# Altium PCB RFFE.PcbDoc (part 1 of 7) (continued)
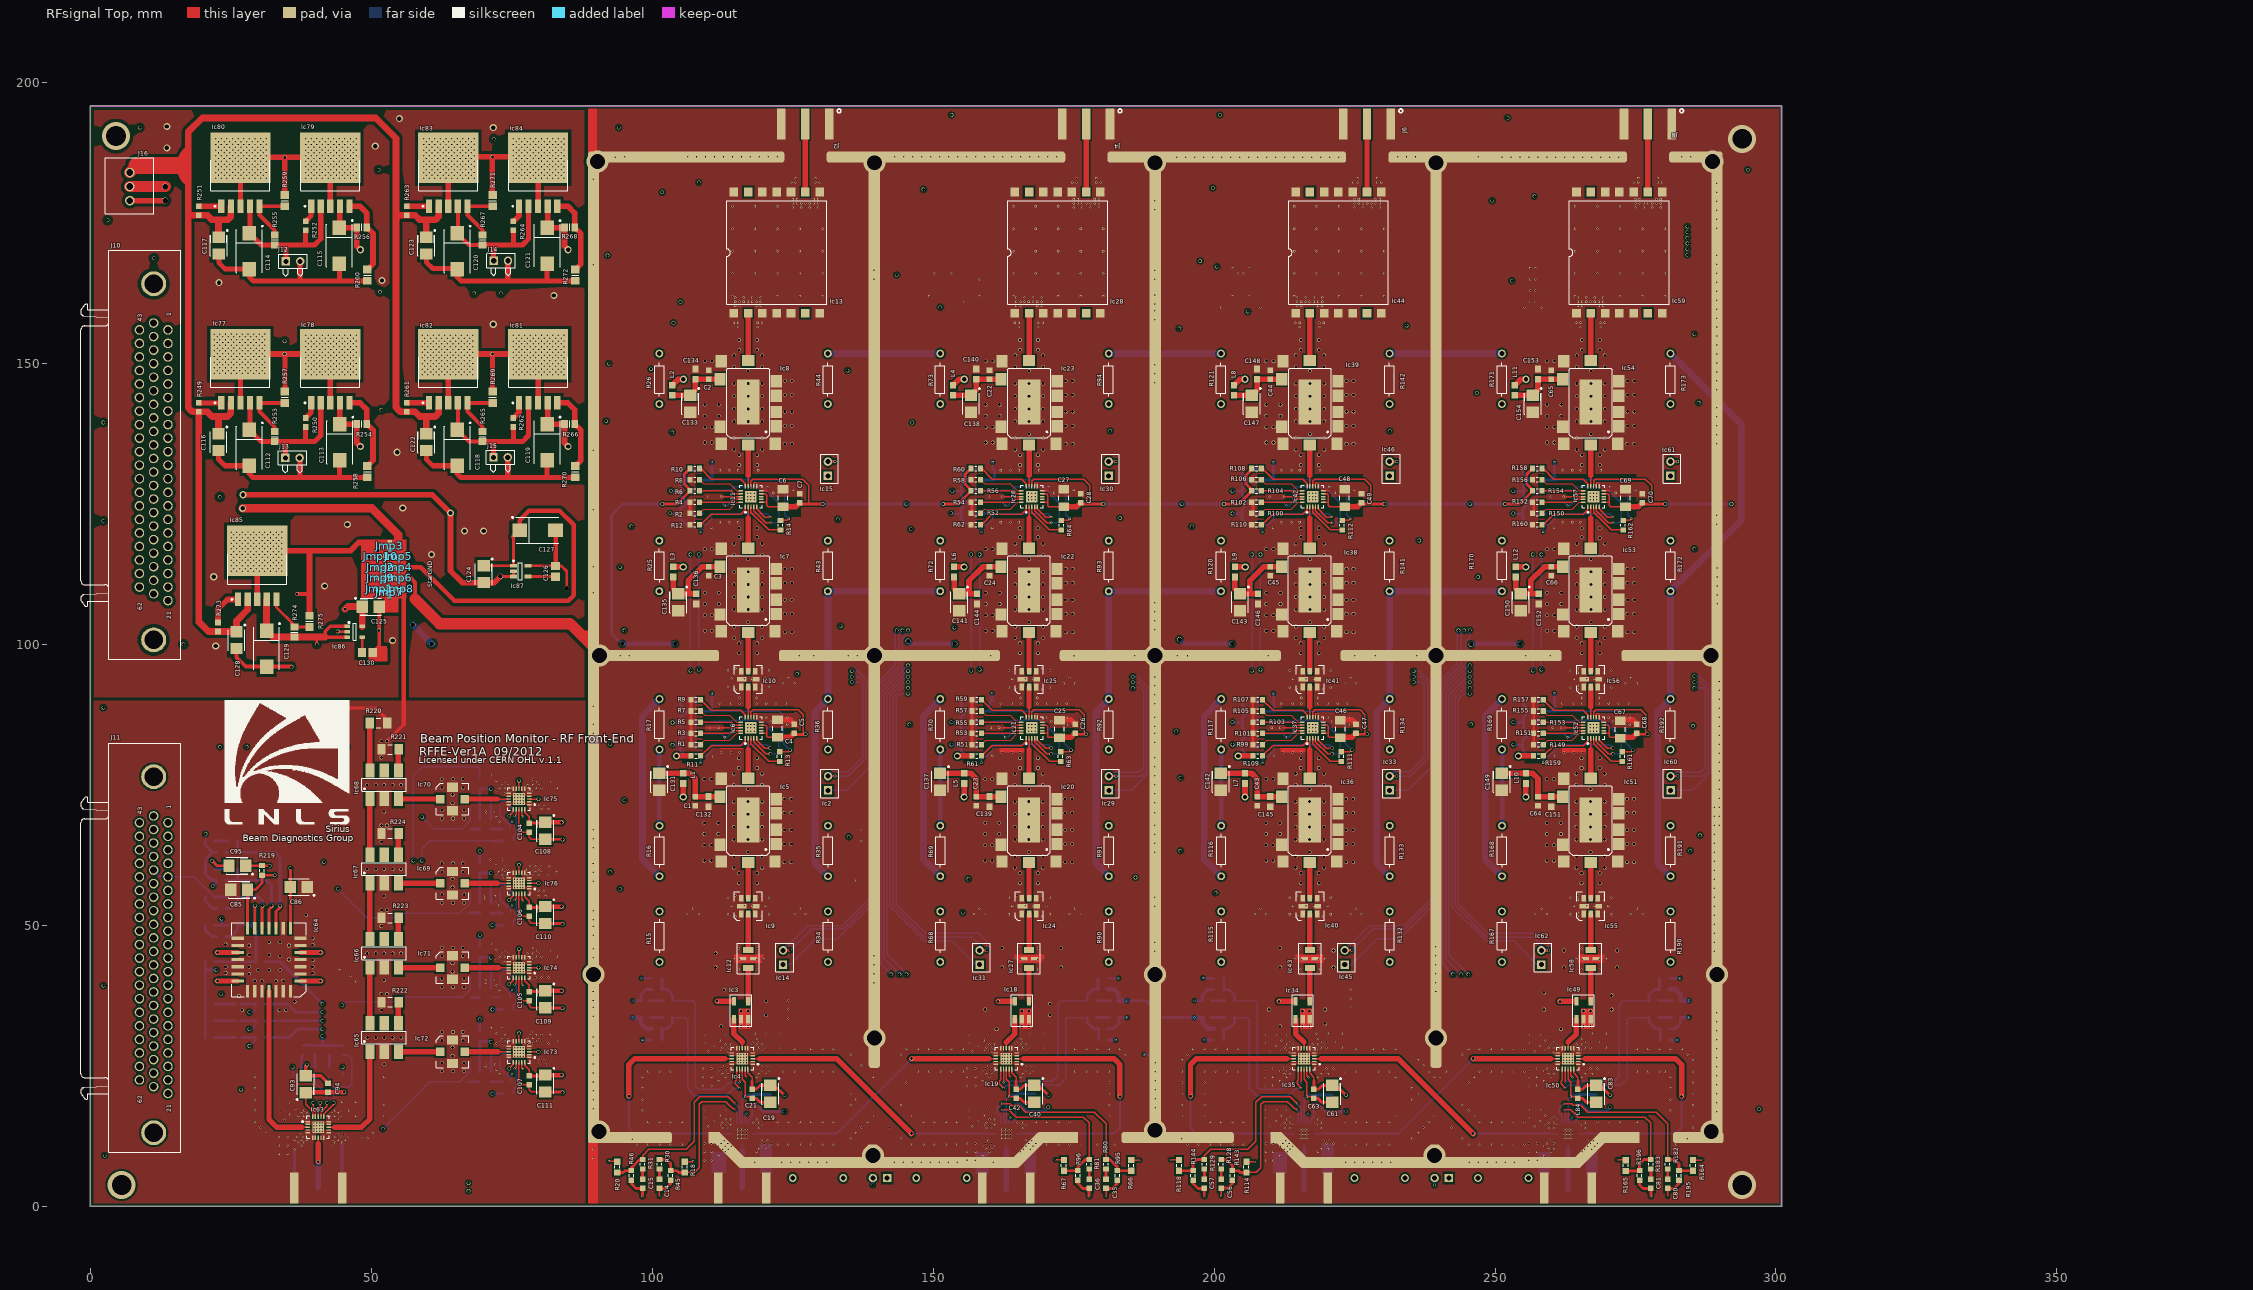
[diagram p0: RFsignal Top view]
## Components (designator, comment, footprint, x,y, rotation, side; value= is the part's Value field where it differs from the comment)
C1 "C1608C0G1H101J" CAPC1608N 107.65,72.1 r90 top
C2 "C1608C0G1H101J" CAPC1608N 110,148.02 r90 top
C3 "C1608C0G1H101J" CAPC1608N 110,113 r90 top
C4 "CAP CER 0.1UF" CAPC3216M 122.25,85 r90 top
C5 "C1608C0G1H101J" CAPC1608N 125.25,85 r90 top
C6 "CAP CER 0.1UF" CAPC3216M 123.229,126.074 r90 top
C7 "C1608C0G1H101J" CAPC1608N 126.23,126 r90 top
C8 "C1608C0G1H470J" CAPC1608N 105.85,90.1 r180 bottom
C9 "C1608C0G1H470J" CAPC1608N 105.85,86.1 r180 bottom
C10 "C1608C0G1H470J" CAPC1608N 105.75,82.1 r180 bottom
C11 "C1608C0G1H470J" CAPC1608N 105.73,131.25 r180 bottom
C12 "C1608C0G1H470J" CAPC1608N 105.73,127.25 r180 bottom
C13 "C1608C0G1H470J" CAPC1608N 105.73,123.25 r180 bottom
C14 "C1608C0G1H470J" CAPC1608N 101.25,3.95 r90 top
C15 "C1608C0G1H470J" CAPC1608N 98.25,3.95 r90 top
C16 "C1608C0G1H470J" CAPC1608N 98.75,33.57 r0 bottom
C17 "C1608C0G1H470J" CAPC1608N 98.75,36.57 r0 bottom
C18 "CAP TANT 4.7UF" TC3528-1411 121,18.35 r90 bottom
C19 "CAP TANT 4.7UF" TC3528-1411 121,20 r270 top
C20 "C1608C0G1H101J" CAPC1608N 117.75,19 r90 bottom
C21 "C1608C0G1H101J" CAPC1608N 117.75,20 r270 top
C22 "C1608C0G1H101J" CAPC1608N 160,148.02 r90 top
C23 "C1608C0G1H101J" CAPC1608N 157.65,72.1 r90 top
C24 "C1608C0G1H101J" CAPC1608N 160,113 r90 top
C25 "CAP CER 0.1UF" CAPC3216M 172.462,84.966 r90 top
C26 "C1608C0G1H101J" CAPC1608N 175.25,85 r90 top
C27 "CAP CER 0.1UF" CAPC3216M 173.229,126.074 r90 top
C28 "C1608C0G1H101J" CAPC1608N 176.23,126 r90 top
C29 "C1608C0G1H470J" CAPC1608N 155.75,90.15 r180 bottom
C30 "C1608C0G1H470J" CAPC1608N 155.75,86.15 r180 bottom
C31 "C1608C0G1H470J" CAPC1608N 155.75,82.15 r180 bottom
C32 "C1608C0G1H470J" CAPC1608N 156.03,131.3 r180 bottom
C33 "C1608C0G1H470J" CAPC1608N 155.73,127.3 r180 bottom
C34 "C1608C0G1H470J" CAPC1608N 155.73,123.3 r180 bottom
C35 "C1608C0G1H470J" CAPC1608N 180.75,3.95 r90 top
C36 "C1608C0G1H470J" CAPC1608N 177.75,3.95 r90 top
C37 "C1608C0G1H470J" CAPC1608N 182.25,33.57 r180 bottom
C38 "C1608C0G1H470J" CAPC1608N 182.25,36.57 r180 bottom
C39 "CAP TANT 4.7UF" TC3528-1411 168,18.35 r90 bottom
C40 "CAP TANT 4.7UF" TC3528-1411 168,20 r270 top
C41 "C1608C0G1H101J" CAPC1608N 164.75,19 r90 bottom
C42 "C1608C0G1H101J" CAPC1608N 164.75,20 r270 top
C43 "C1608C0G1H101J" CAPC1608N 207.65,72.1 r270 top
C44 "C1608C0G1H101J" CAPC1608N 210,148.02 r90 top
C45 "C1608C0G1H101J" CAPC1608N 210,113 r90 top
C46 "CAP CER 0.1UF" CAPC3216M 222.461,84.966 r90 top
C47 "C1608C0G1H101J" CAPC1608N 225.25,85 r90 top
C48 "CAP CER 0.1UF" CAPC3216M 223.229,126.074 r90 top
C49 "C1608C0G1H101J" CAPC1608N 226.23,126 r90 top
C50 "C1608C0G1H470J" CAPC1608N 205.75,90.15 r180 bottom
C51 "C1608C0G1H470J" CAPC1608N 205.75,86.15 r180 bottom
C52 "C1608C0G1H470J" CAPC1608N 205.75,82.15 r180 bottom
C53 "C1608C0G1H470J" CAPC1608N 205.73,131.3 r180 bottom
C54 "C1608C0G1H470J" CAPC1608N 205.73,127.3 r180 bottom
C55 "C1608C0G1H470J" CAPC1608N 205.73,123.3 r180 bottom
C56 "C1608C0G1H470J" CAPC1608N 201.25,3.95 r90 top
C57 "C1608C0G1H470J" CAPC1608N 198.25,3.95 r90 top
C58 "C1608C0G1H470J" CAPC1608N 198.75,33.57 r0 bottom
C59 "C1608C0G1H470J" CAPC1608N 198.75,36.57 r0 bottom
C60 "CAP TANT 4.7UF" TC3528-1411 221,18.35 r90 bottom
C61 "CAP TANT 4.7UF" TC3528-1411 221,20 r270 top
C62 "C1608C0G1H101J" CAPC1608N 217.75,19 r90 bottom
C63 "C1608C0G1H101J" CAPC1608N 217.75,20 r270 top
C64 "C1608C0G1H101J" CAPC1608N 257.65,72.1 r90 top
C65 "C1608C0G1H101J" CAPC1608N 260,148.02 r90 top
C66 "C1608C0G1H101J" CAPC1608N 260,113 r90 top
C67 "CAP CER 0.1UF" CAPC3216M 272.293,84.858 r90 top
C68 "C1608C0G1H101J" CAPC1608N 275.24,85 r90 top
C69 "CAP CER 0.1UF" CAPC3216M 273.229,126.074 r90 top
C70 "C1608C0G1H101J" CAPC1608N 276.23,126 r90 top
C71 "CAP TANT 4.7UF" TC3528-1411 268,18.35 r90 bottom
C72 "C1608C0G1H470J" CAPC1608N 255.85,90.15 r180 bottom
C73 "C1608C0G1H470J" CAPC1608N 255.75,86.15 r180 bottom
C74 "C1608C0G1H470J" CAPC1608N 255.75,82.15 r180 bottom
C75 "C1608C0G1H470J" CAPC1608N 282.25,33.57 r180 bottom
C76 "C1608C0G1H470J" CAPC1608N 282.25,36.57 r180 bottom
C77 "C1608C0G1H470J" CAPC1608N 255.73,131.33 r180 bottom
C78 "C1608C0G1H470J" CAPC1608N 255.73,127.33 r180 bottom
C79 "C1608C0G1H470J" CAPC1608N 255.73,123.33 r180 bottom
C80 "C1608C0G1H470J" CAPC1608N 280.75,3.95 r90 top
C81 "C1608C0G1H470J" CAPC1608N 277.75,3.95 r90 top
C82 "C1608C0G1H101J" CAPC1608N 264.75,19 r90 bottom
C83 "CAP TANT 4.7UF" TC3528-1411 268,20 r270 top
C84 "C1608C0G1H101J" CAPC1608N 264.75,20 r270 top
C85 "CAP TANT 4.7UF" TC3528-1411 26.43,56.31 r180 top
C86 "CAP TANT 4.7UF" TC3528-1411 37.04,56.81 r180 top
C87 "C1608C0G1H470J" CAPC1608N 42.51,27.78 r90 bottom
C88 "C1608C0G1H470J" CAPC1608N 39.93,27.82 r90 bottom
C89 "C1608C0G1H470J" CAPC1608N 21.25,55 r0 bottom
C90 "C1608C0G1H470J" CAPC1608N 21.25,50 r0 bottom
C91 "C1608C0G1H470J" CAPC1608N 21.25,65 r180 bottom
C92 "C1608C0G1H470J" CAPC1608N 21.25,60 r180 bottom
C93 "CAP TANT 4.7UF" TC3528-1411 38.25,21.7 r90 top
C94 "C1608C0G1H101J" CAPC1608N 42.25,21.1 r90 top
C95 "CAP TANT 4.7UF" TC3528-1411 26.1,60.6 r180 top
C96 "C1608C0G1H470J" CAPC1608N 66.5,22.15 r180 bottom
C97 "C1608C0G1H470J" CAPC1608N 74,22.15 r0 bottom
C98 "C1608C0G1H470J" CAPC1608N 66.9,37.15 r180 bottom
C99 "C1608C0G1H470J" CAPC1608N 73.9,37.15 r0 bottom
C100 "C1608C0G1H470J" CAPC1608N 66.9,67.15 r180 bottom
C101 "C1608C0G1H470J" CAPC1608N 73.9,67.15 r0 bottom
C102 "C1608C0G1H470J" CAPC1608N 66.5,52.15 r180 bottom
C103 "C1608C0G1H470J" CAPC1608N 74,52.15 r0 bottom
C104 "C1608C0G1H101J" CAPC1608N 78.04,67.38 r270 top
C105 "C1608C0G1H101J" CAPC1608N 78.04,37.38 r270 top
C106 "C1608C0G1H101J" CAPC1608N 78.04,52.38 r270 top
C107 "C1608C0G1H101J" CAPC1608N 78.04,22.38 r90 top
C108 "CAP TANT 4.7UF" TC3528-1411 80.94,66.82 r270 top
C109 "CAP TANT 4.7UF" TC3528-1411 80.94,36.83 r270 top
C110 "CAP TANT 4.7UF" TC3528-1411 80.94,51.83 r270 top
C111 "CAP TANT 4.7UF" TC3528-1411 80.94,21.83 r270 top
C112 "CAP TANT 33UF" TC7343-2917 28.25,135 r270 top
C113 "CAP TANT 33UF" TC7343-2917 44.35,136 r270 top
C114 "CAP TANT 33UF" TC7343-2917 28.25,170 r270 top
C115 "CAP TANT 33UF" TC7343-2917 44.25,171 r270 top
C116 "CAP TANT 10UF" TC3528-1411 22.75,136 r270 top
C117 "CAP TANT 10UF" TC3528-1411 22.8,171 r270 top
C118 "CAP TANT 33UF" TC7343-2917 65.25,135 r270 top
C119 "CAP TANT 33UF" TC7343-2917 81.25,136 r270 top
C120 "CAP TANT 33UF" TC7343-2917 65.25,170 r270 top
C121 "CAP TANT 33UF" TC7343-2917 81.25,171 r270 top
C122 "CAP TANT 10UF" TC3528-1411 59.75,136 r270 top
C123 "CAP TANT 10UF" TC3528-1411 59.75,171 r270 top
C124 "CAP TANT 10UF" TC3528-1411 69.95,112.5 r270 top
C125 "CAP TANT 10UF" TC3528-1411 49.85,106.7 r0 top
C126 "CAP CER 10000PF" CAPC2012M 82.75,113 r270 top
C127 "CAP TANT 33UF" TC7343-2917 79.55,120.3 r0 top
C128 "CAP TANT 10UF" TC3528-1411 25.95,100.75 r270 top
C129 "CAP TANT 33UF" TC7343-2917 31.3,99.25 r270 top
C130 "CAP CER 10000PF" CAPC2012M 49.25,98.6 r0 top
C131 "CAP TANT 4.7UF" TC3528-1411 101.2,75.55 r270 top
C132 "C1608C0G1H102J" CAPC1608M 110,72 r270 top
C133 "CAP TANT 4.7UF" TC3528-1411 106.72,142.84 r270 top
C134 "C1608C0G1H102J" CAPC1608M 107.65,148.12 r90 top
C135 "CAP TANT 4.7UF" TC3528-1411 104.6,107.5 r270 top
C136 "C1608C0G1H102J" CAPC1608M 107.8,108.1 r270 top
C137 "CAP TANT 4.7UF" TC3528-1411 151.2,75.55 r270 top
C138 "CAP TANT 4.7UF" TC3528-1411 156.72,142.84 r270 top
C139 "C1608C0G1H102J" CAPC1608M 160,72 r270 top
C140 "C1608C0G1H102J" CAPC1608M 157.65,148.12 r90 top
C141 "CAP TANT 4.7UF" TC3528-1411 154.6,107.5 r270 top
C142 "CAP TANT 4.7UF" TC3528-1411 201.2,75.55 r270 top
C143 "CAP TANT 4.7UF" TC3528-1411 204.6,107.5 r270 top
C144 "C1608C0G1H102J" CAPC1608M 157.8,108.1 r270 top
C145 "C1608C0G1H102J" CAPC1608M 210,72 r270 top
C146 "C1608C0G1H102J" CAPC1608M 207.8,108.1 r270 top
C147 "CAP TANT 4.7UF" TC3528-1411 206.72,142.84 r270 top
C148 "C1608C0G1H102J" CAPC1608M 207.65,148.12 r90 top
C149 "CAP TANT 4.7UF" TC3528-1411 251.2,75.55 r270 top
C150 "CAP TANT 4.7UF" TC3528-1411 254.6,107.5 r270 top
C151 "C1608C0G1H102J" CAPC1608M 260,72 r270 top
C152 "C1608C0G1H102J" CAPC1608M 257.8,108.1 r270 top
C153 "C1608C0G1H102J" CAPC1608M 257.65,148.12 r90 top
C154 "CAP TANT 4.7UF" TC3528-1411 256.72,142.84 r270 top
D1 "RB521CS-30T2R" RESC1005L 26.25,36 r180 bottom
D2 "RB521CS-30T2R" RESC1005L 26.25,43.5 r180 bottom
D3 "RB521CS-30T2R" RESC1005L 26.25,30 r180 bottom
D4 "RB521CS-30T2R" RESC1005L 26.25,33 r180 bottom
Ic1 "HSWA2-30DR+" DG983-1 116,12.9 r180 bottom
Ic2 "DETECTOR RTD TF 100 OHM +/-0.06%" RTDX2 131.25,74 r90 top
Ic3 "SBTC-2-10L+" AT1029 117.04,36.45 r270 top
Ic4 "HSWA2-30DR+" DG983-1 116,26.25 r180 top
Ic5 "TAMP-72LN+" JQ1382 122.04,61.36 r90 top
Ic6 "DAT-31R5-SP+" DG983-1 117.54,85.15 r90 top
Ic7 "TAMP-72LN+" JQ1382 122.04,102.31 r90 top
Ic8 "TAMP-72LN+" JQ1382 122.05,135.72 r90 top
Ic9 "TA1114A" TST-TA1114A 116,54.5 r90 top
Ic10 "TA1114A" TST-TA1114A 116,94.9 r90 top
Ic11 "DAT-31R5-SP+" DG983-1 117.54,126.32 r90 top
Ic12 "LFCN-530+" FV1206 117.05,42.37 r90 top
Ic13 "BPF-C495+" HU1186 114.51,158.95 r90 top
Ic14 "DETECTOR RTD TF 100 OHM +/-0.06%" RTDX2 123.25,43 r90 top
Ic15 "DETECTOR RTD TF 100 OHM +/-0.06%" RTDX2 131.23,130 r90 top
Ic16 "DETECTOR RTD TF 100 OHM +/-0.06%" RTDX2 141.79,5 r180 bottom
Ic17 "HSWA2-30DR+" DG983-1 163,12.9 r180 bottom
Ic18 "SBTC-2-10L+" AT1029 167.04,36.45 r270 top
Ic19 "HSWA2-30DR+" DG983-1 163,26.25 r180 top
Ic20 "TAMP-72LN+" JQ1382 172.04,61.36 r90 top
Ic21 "DAT-31R5-SP+" DG983-1 167.54,85.15 r90 top
Ic22 "TAMP-72LN+" JQ1382 172.04,102.31 r90 top
Ic23 "TAMP-72LN+" JQ1382 172.05,135.72 r90 top
Ic24 "TA1114A" TST-TA1114A 166,54.5 r90 top
Ic25 "TA1114A" TST-TA1114A 166,94.9 r90 top
Ic26 "DAT-31R5-SP+" DG983-1 167.54,126.32 r90 top
Ic27 "LFCN-530+" FV1206 167.05,42.37 r90 top
Ic28 "BPF-C495+" HU1186 164.51,158.95 r90 top
Ic29 "DETECTOR RTD TF 100 OHM +/-0.06%" RTDX2 181.25,74 r90 top
Ic30 "DETECTOR RTD TF 100 OHM +/-0.06%" RTDX2 181.23,130 r90 top
Ic31 "DETECTOR RTD TF 100 OHM +/-0.06%" RTDX2 158.25,43 r90 top
Ic32 "HSWA2-30DR+" DG983-1 216,12.9 r180 bottom
Ic33 "DETECTOR RTD TF 100 OHM +/-0.06%" RTDX2 231.25,74 r90 top
Ic34 "SBTC-2-10L+" AT1029 217.04,36.45 r270 top
Ic35 "HSWA2-30DR+" DG983-1 216,26.25 r180 top
Ic36 "TAMP-72LN+" JQ1382 222.04,61.36 r90 top
Ic37 "DAT-31R5-SP+" DG983-1 217.54,85.15 r90 top
Ic38 "TAMP-72LN+" JQ1382 222.04,102.31 r90 top
Ic39 "TAMP-72LN+" JQ1382 222.05,135.72 r90 top
Ic40 "TA1114A" TST-TA1114A 216,54.5 r90 top
Ic41 "TA1114A" TST-TA1114A 216,94.9 r90 top
Ic42 "DAT-31R5-SP+" DG983-1 217.54,126.32 r90 top
Ic43 "LFCN-530+" FV1206 217.05,42.37 r90 top
Ic44 "BPF-C495+" HU1186 214.51,158.95 r90 top
Ic45 "DETECTOR RTD TF 100 OHM +/-0.06%" RTDX2 223.25,43 r90 top
Ic46 "DETECTOR RTD TF 100 OHM +/-0.06%" RTDX2 231.23,130 r90 top
Ic47 "HSWA2-30DR+" DG983-1 263,12.9 r180 bottom
Ic48 "DETECTOR RTD TF 100 OHM +/-0.06%" RTDX2 241.79,5 r180 bottom
Ic49 "SBTC-2-10L+" AT1029 267.04,36.45 r270 top
Ic50 "HSWA2-30DR+" DG983-1 263,26.25 r180 top
Ic51 "TAMP-72LN+" JQ1382 272.04,61.36 r90 top
Ic52 "DAT-31R5-SP+" DG983-1 267.54,85.15 r90 top
Ic53 "TAMP-72LN+" JQ1382 272.04,102.31 r90 top
Ic54 "TAMP-72LN+" JQ1382 272.05,135.72 r90 top
Ic55 "TA1114A" TST-TA1114A 266,54.5 r90 top
Ic56 "TA1114A" TST-TA1114A 266,94.9 r90 top
Ic57 "DAT-31R5-SP+" DG983-1 267.54,126.32 r90 top
Ic58 "LFCN-530+" FV1206 267.05,42.37 r90 top
Ic59 "BPF-C495+" HU1186 264.51,158.95 r90 top
Ic60 "DETECTOR RTD TF 100 OHM +/-0.06%" RTDX2 281.25,74 r90 top
Ic61 "DETECTOR RTD TF 100 OHM +/-0.06%" RTDX2 281.23,130 r90 top
Ic62 "DETECTOR RTD TF 100 OHM +/-0.06%" RTDX2 258.25,43 r90 top
Ic63 "HSWA2-30DR+" DG983-1 40.498,14.05 r0 top
Ic64 "GSWA-4-30DR" AN1102 37.34,40.07 r180 top
Ic65 "ADC-10-4+" CD542 52.24,30.01 r90 top
Ic66 "ADC-10-4+" CD542 52.24,45.01 r90 top
Ic67 "ADC-10-4+" CD542 52.24,60.01 r90 top
Ic68 "ADC-10-4+" CD542 52.24,75.01 r90 top
Ic69 "PAT-1+" AF320 62.24,57.47 r0 top
Ic70 "PAT-0+" AF320 62.24,72.47 r0 top
Ic71 "PAT-2+" AF320 62.24,42.47 r0 top
Ic72 "PAT-3+" AF320 62.24,27.47 r0 top
Ic73 "HSWA2-30DR+" DG983-1 76.24,27.47 r180 top
Ic74 "HSWA2-30DR+" DG983-1 76.24,42.47 r180 top
Ic75 "HSWA2-30DR+" DG983-1 76.24,72.47 r180 top
Ic76 "HSWA2-30DR+" DG983-1 76.24,57.47 r180 top
Ic77 "IC LDO LO NOISE 3A ADJ DDPAK-5" "DD PAK" 23.25,143 r90 top
Ic78 "IC LDO LO NOISE 3A ADJ DDPAK-5" "DD PAK" 39.25,143 r90 top
Ic79 "IC LDO LO NOISE 3A ADJ DDPAK-5" "DD PAK" 39.25,178 r90 top
Ic80 "IC LDO LO NOISE 3A ADJ DDPAK-5" "DD PAK" 23.25,178 r90 top
Ic81 "IC LDO LO NOISE 3A ADJ DDPAK-5" "DD PAK" 76.25,143 r90 top
Ic82 "IC LDO LO NOISE 3A ADJ DDPAK-5" "DD PAK" 60.25,143 r90 top
Ic83 "IC LDO LO NOISE 3A ADJ DDPAK-5" "DD PAK" 60.25,178 r90 top
Ic84 "IC LDO LO NOISE 3A ADJ DDPAK-5" "DD PAK" 76.25,178 r90 top
Ic85 "IC LDO LO NOISE 3A ADJ DDPAK-5" "DD PAK" 26.25,108 r90 top
Ic86 "TPS73030DBVT" DBV005 45.65,103.2 r0 top
Ic87 "LT1964ES5-5#TRMPBF" TSOT-23 75.25,114 r0 top
J1 "CONN SMA" SMAEDGE50R 120.251,3.25 r180 bottom
J2 "CONN SMA" SMAEDGE50R 131.46,192.65 r180 top
J3 "CONN SMA" SMAEDGE50R 167.251,3.25 r180 bottom
J4 "CONN SMA" SMAEDGE50R 181.46,192.65 r180 top
J5 "CONN SMA" SMAEDGE50R 220.251,3.25 r180 bottom
J6 "CONN SMA" SMAEDGE50R 231.46,192.65 r180 top
J7 "CONN SMA" SMAEDGE50R 267.251,3.25 r180 bottom
J8 "CONN SMA" SMAEDGE50R 281.46,192.65 r180 top
J9 "CONN SMA" SMAEDGE50R 44.751,3.24 r180 bottom
J10 "CONN D-SUB" D-SUB62 13.75,156 r90 top
J11 "CONN D-SUB" D-SUB62 13.75,68.25 r90 top
J12 "CONN HEADR" HDR1X2Ha 34.75,168.2 r0 top
J13 "CONN HEADR" HDR1X2H 34.65,133.2 r0 top
J14 "CONN HEADR" HDR1X2H 71.75,168.3 r0 top
J15 "CONN HEADR" HDR1X2H 71.7,133.3 r0 top
J16 "1881451" AXIAL3 6.95,184 r270 top
Jmp1 "Jumper" STRGND 51.25,109.95 r0 top
Jmp2 "Jumper" STRGND 51.45,113.75 r0 top
Jmp3 "Jumper" STRGND 53.25,117.7 r270 top
Jmp4 "Jumper" STRGND 55,113.75 r180 top
Jmp5 "Jumper" STRGND 55,115.65 r180 top
Jmp6 "Jumper" STRGND 55,111.85 r180 top
Jmp7 "Jumper" STRGND 53.25,109.1 r90 top
Jmp8 "Jumper" STRGND 55.25,109.95 r180 top
Jmp9 "Jumper" STRGND 51.45,111.85 r0 top
Jmp10 "Jumper" STRGND 51.45,115.65 r0 top
L1 "BLM18HE601SN1D" CAPC1608M 105.5,76.15 r270 top
L2 "BLM18HE601SN1D" CAPC1608M 103.53,145.24 r270 top
L3 "BLM18HE601SN1D" CAPC1608M 103.7,112.9 r90 top
L4 "BLM18HE601SN1D" CAPC1608M 153.53,145.24 r270 top
L5 "BLM18HE601SN1D" CAPC1608M 155.5,76.15 r270 top
L6 "BLM18HE601SN1D" CAPC1608M 153.7,112.9 r90 top
L7 "BLM18HE601SN1D" CAPC1608M 205.5,76.15 r270 top
L8 "BLM18HE601SN1D" CAPC1608M 203.53,145.24 r270 top
L9 "BLM18HE601SN1D" CAPC1608M 203.7,112.9 r90 top
L10 "BLM18HE601SN1D" CAPC1608M 255.5,76.15 r270 top
L11 "BLM18HE601SN1D" CAPC1608M 253.53,145.24 r270 top
L12 "BLM18HE601SN1D" CAPC1608M 253.7,112.9 r90 top
R1 "ERJ-3GEYJ103V" RESC1608N 107.74,82.15 r0 top
R2 "ERJ-3GEYJ103V" RESC1608N 107.54,123.32 r0 top
R3 "ERJ-3GEYJ103V" RESC1608N 107.74,84.15 r0 top
R4 "ERJ-3GEYJ103V" RESC1608N 107.54,125.32 r0 top
R5 "ERJ-3GEYJ103V" RESC1608N 107.74,86.15 r0 top
R6 "ERJ-3GEYJ103V" RESC1608N 107.54,127.32 r0 top
R7 "ERJ-3GEYJ103V" RESC1608N 107.74,88.15 r0 top
R8 "ERJ-3GEYJ103V" RESC1608N 107.54,129.32 r0 top
R9 "ERJ-3GEYJ103V" RESC1608N 107.74,90.15 r0 top
R10 "ERJ-3GEYJ103V" RESC1608N 107.54,131.32 r0 top
R11 "ERJ-3GEYJ103V" RESC1608N 107.74,80.15 r0 top
R12 "ERJ-3GEYJ103V" RESC1608N 107.54,121.32 r0 top
R13 "ERJ-3GEYJ103V" RESC1608N 122.66,80.04 r270 top
R14 "ERJ-3GEYJ103V" RESC1608N 122.8,121.23 r270 top
R15 "CMF5546R400FHEB" AXIAL9.0 101.25,50.75 r90 top
R16 "CMF5546R400FHEB" AXIAL9.0 101.25,66 r90 top
R17 "CMF5546R400FHEB" AXIAL9.0 101.25,83 r270 top
R18 "RES 0.0 OHM" RESC1608M 105.75,6.95 r90 top
R19 "RES 0.0 OHM" RESC1608M 100.75,40.57 r0 bottom
R20 "RES 0.0 OHM" RESC1608M 93.75,6.95 r90 top
R21 "RES 0.0 OHM" RESC1608M 100.75,29.57 r0 bottom
R22 "ERJ-3GEYJ101V" RESC1608N 109.75,90.1 r0 bottom
R23 "ERJ-3GEYJ101V" RESC1608N 109.75,86.1 r0 bottom
R24 "ERJ-3GEYJ101V" RESC1608N 109.75,82.1 r0 bottom
R25 "CMF5546R400FHEB" AXIAL9.0 101.23,116.75 r90 top
R26 "CMF5546R400FHEB" AXIAL9.0 101.23,144.5 r270 top
R27 "ERJ-3GEYJ101V" RESC1608N 109.73,131.25 r0 bottom
R28 "ERJ-3GEYJ101V" RESC1608N 109.73,127.25 r0 bottom
R29 "ERJ-3GEYJ101V" RESC1608N 109.73,123.25 r0 bottom
R30 "ERJ-3GEYJ101V" RESC1608N 101.25,7.45 r90 top
R31 "ERJ-3GEYJ101V" RESC1608N 98.25,7.45 r90 top
R32 "ERJ-3GEYJ101V" RESC1608N 102.75,33.57 r0 bottom
R33 "ERJ-3GEYJ101V" RESC1608N 102.75,36.57 r0 bottom
R34 "CMF5546R400FHEB" AXIAL9.0 131.25,50.75 r90 top
R35 "CMF5546R400FHEB" AXIAL9.0 131.25,66 r90 top
R36 "CMF5546R400FHEB" AXIAL9.0 131.25,83 r270 top
R37 "ERJ-3GEYJ103V" RESC1608N 107.75,88.1 r0 bottom
R38 "ERJ-3GEYJ103V" RESC1608N 107.75,84.1 r0 bottom
R39 "ERJ-3GEYJ103V" RESC1608N 107.75,80.1 r0 bottom
R40 "ERJ-3GEYJ103V" RESC1608N 107.73,129.25 r0 bottom
R41 "ERJ-3GEYJ103V" RESC1608N 107.73,125.25 r0 bottom
R42 "ERJ-3GEYJ103V" RESC1608N 107.73,121.25 r0 bottom
R43 "CMF5546R400FHEB" AXIAL9.0 131.23,116.75 r90 top
R44 "CMF5546R400FHEB" AXIAL9.0 131.23,144.5 r270 top
R45 "ERJ-3GEYJ103V" RESC1608N 103.25,5.45 r90 top
R46 "ERJ-3GEYJ103V" RESC1608N 96.25,5.45 r90 top
R47 "ERJ-3GEYJ103V" RESC1608N 100.75,31.57 r0 bottom
R48 "ERJ-3GEYJ103V" RESC1608N 100.75,38.57 r0 bottom
R49 "CMF5546R400FHEB" AXIAL9.0 126.69,5 r180 bottom
R50 "CMF5546R400FHEB" AXIAL9.0 154.25,5 r0 bottom
R51 "ERJ-3GEYJ103V" RESC1608N 157.74,82.15 r0 top
R52 "ERJ-3GEYJ103V" RESC1608N 157.54,123.32 r0 top
R53 "ERJ-3GEYJ103V" RESC1608N 157.74,84.15 r0 top
R54 "ERJ-3GEYJ103V" RESC1608N 157.54,125.32 r0 top
R55 "ERJ-3GEYJ103V" RESC1608N 157.74,86.15 r0 top
R56 "ERJ-3GEYJ103V" RESC1608N 157.54,127.32 r0 top
R57 "ERJ-3GEYJ103V" RESC1608N 157.74,88.15 r0 top
R58 "ERJ-3GEYJ103V" RESC1608N 157.54,129.32 r0 top
R59 "ERJ-3GEYJ103V" RESC1608N 157.74,90.15 r0 top
R60 "ERJ-3GEYJ103V" RESC1608N 157.54,131.32 r0 top
R61 "ERJ-3GEYJ103V" RESC1608N 157.74,80.15 r0 top
R62 "ERJ-3GEYJ103V" RESC1608N 157.54,121.32 r0 top
R63 "ERJ-3GEYJ103V" RESC1608N 172.66,80.04 r270 top
R64 "ERJ-3GEYJ103V" RESC1608N 172.8,121.23 r270 top
R65 "RES 0.0 OHM" RESC1608M 180.25,40.57 r180 bottom
R66 "RES 0.0 OHM" RESC1608M 185.25,7.25 r90 top
R67 "RES 0.0 OHM" RESC1608M 173.25,7.25 r90 top
R68 "CMF5546R400FHEB" AXIAL9.0 151.25,50.75 r90 top
R69 "CMF5546R400FHEB" AXIAL9.0 151.25,66 r90 top
R70 "CMF5546R400FHEB" AXIAL9.0 151.25,83 r270 top
R71 "ERJ-3GEY0R00V" CAPC1608N 180.25,29.57 r180 bottom
R72 "CMF5546R400FHEB" AXIAL9.0 151.23,116.75 r90 top
R73 "CMF5546R400FHEB" AXIAL9.0 151.23,144.5 r270 top
R74 "ERJ-3GEYJ101V" RESC1608N 159.75,90.15 r0 bottom